# Altium PCB PCB1.PcbDoc (part 7 of 9)
Units mil, origin at the board's own origin, x right, y up, seen from the top; angles counter-clockwise.
Board outline 6000 x 4000 mil, 7 copper layers (Top Layer, InternalPlane1, MidLayer1, InternalPlane2, Internal Plane 3, MidLayer2, Bottom Layer); 389 components, 0 nets, 1750 pads, 1189 vias.
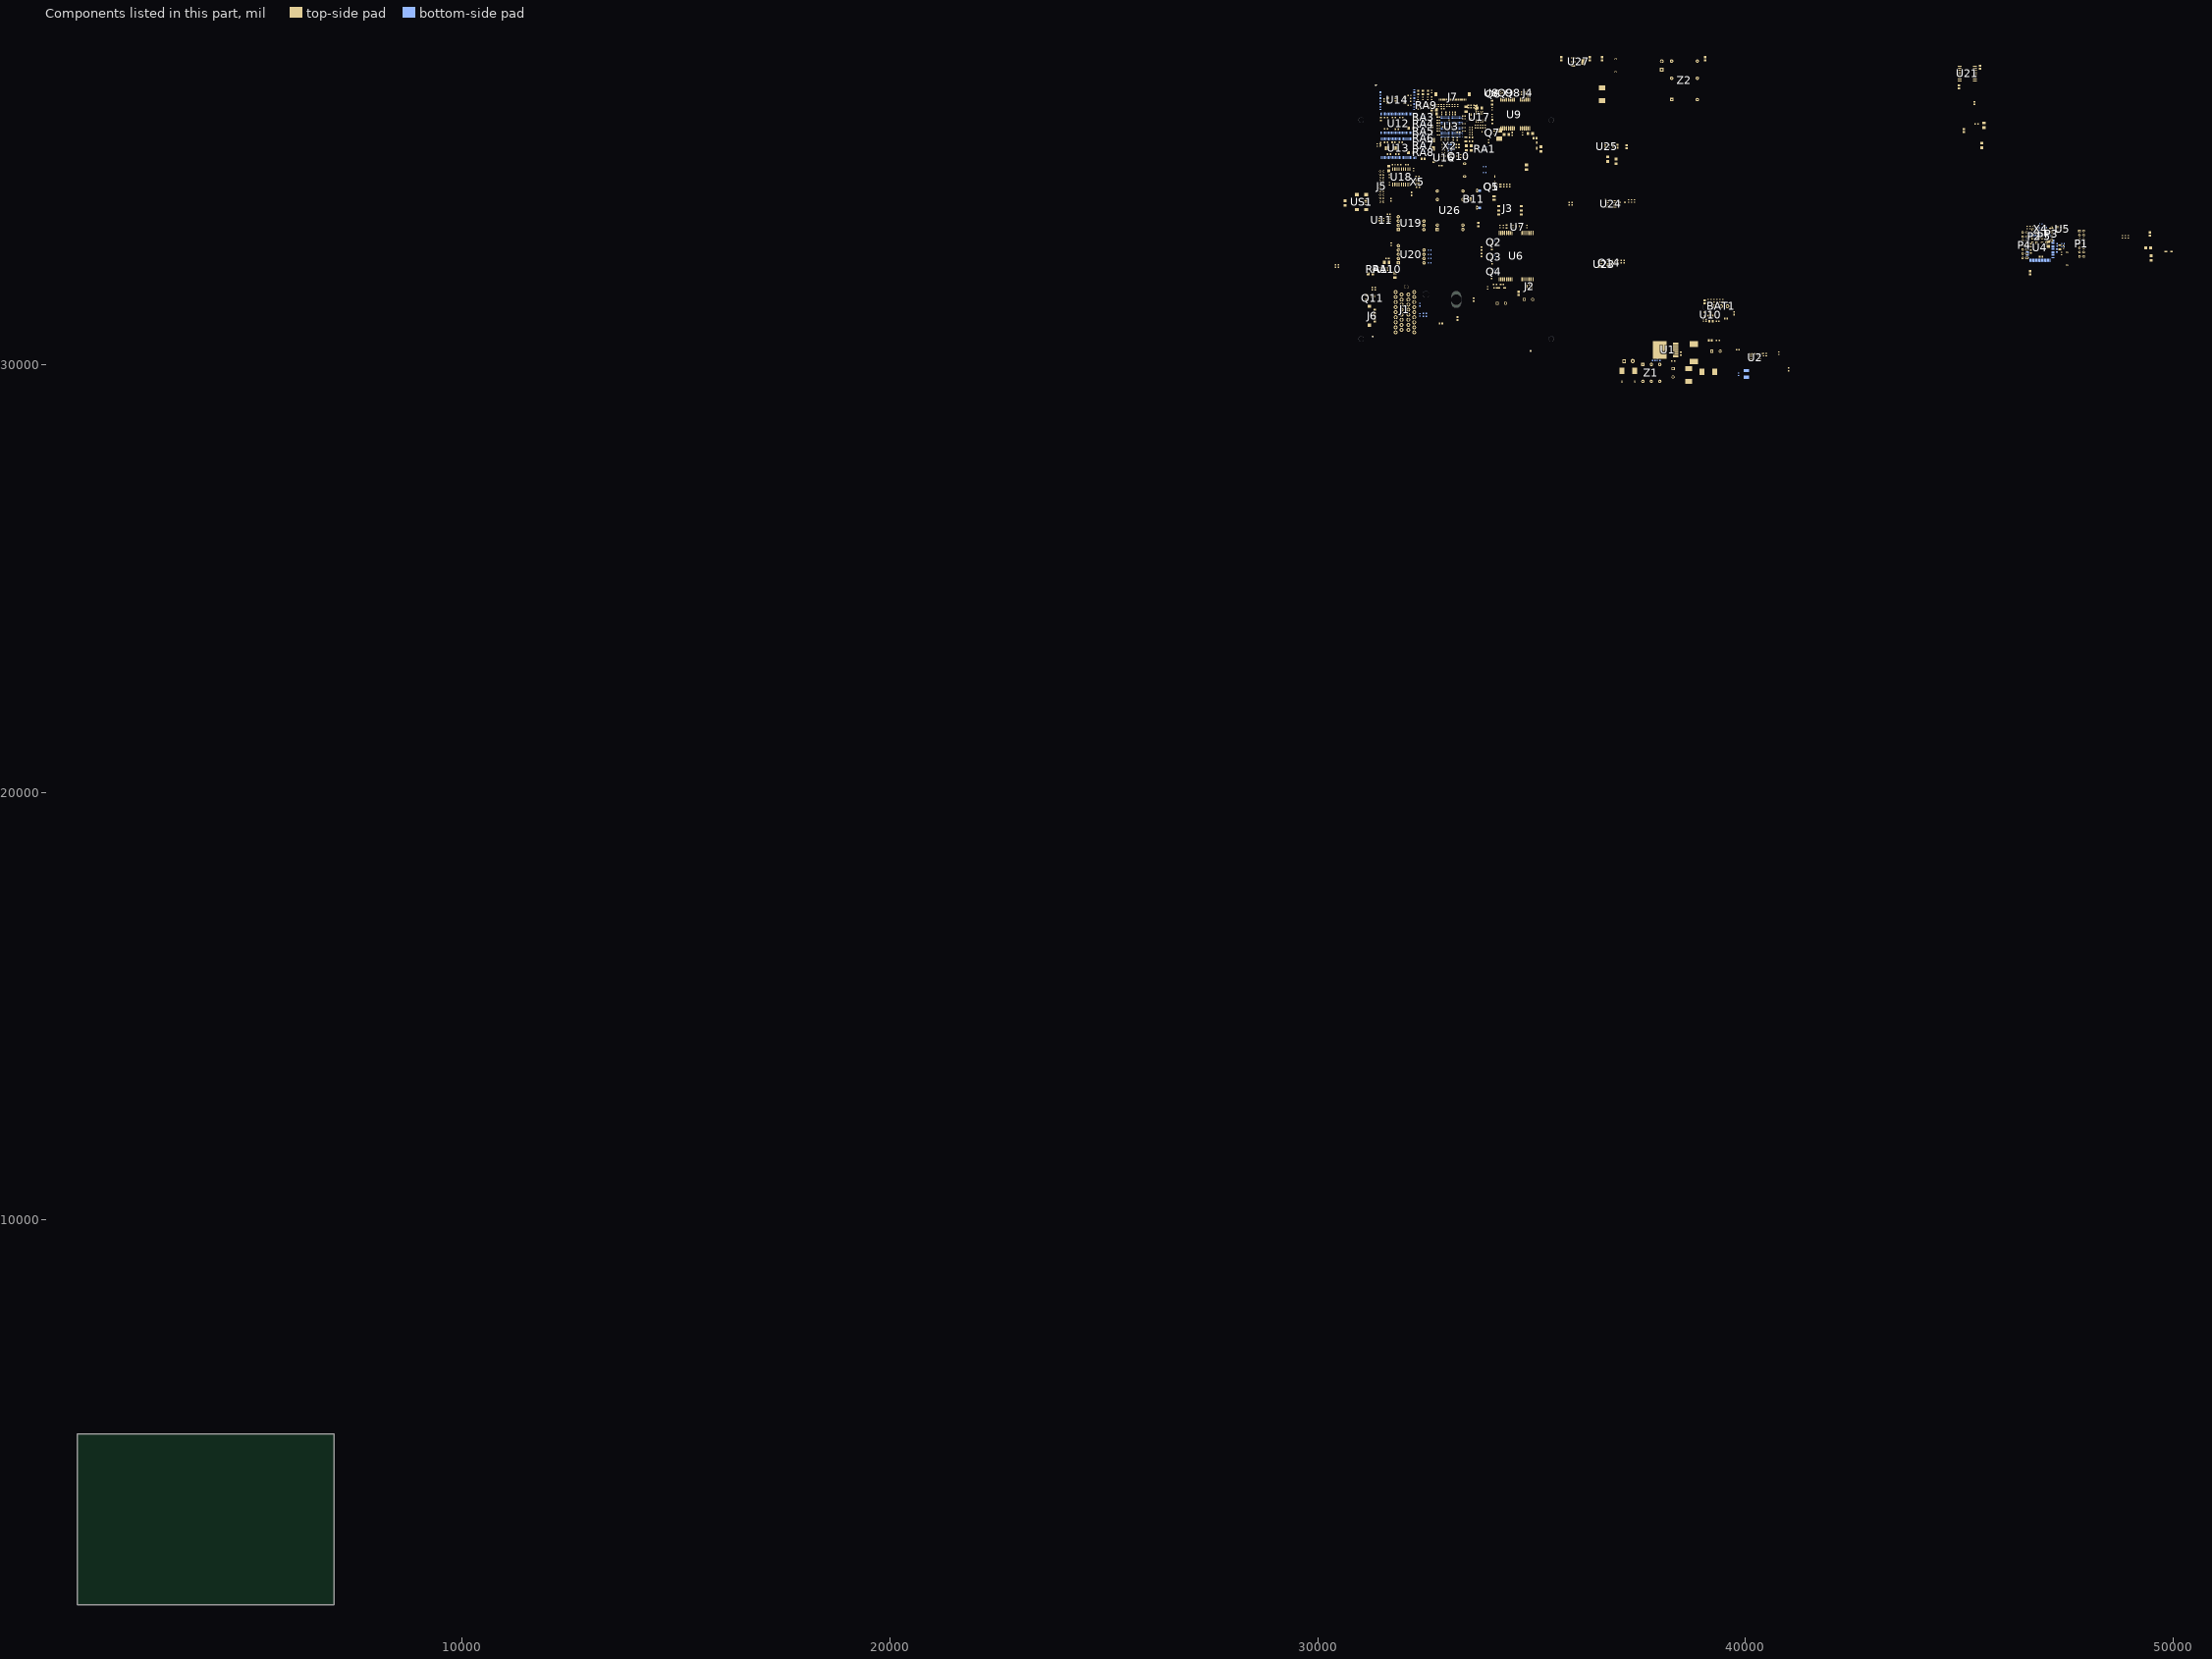
[diagram p12: the components of this part, seen from the top]

## Via types
v1: diameter 18, hole 10, Top Layer to Bottom Layer, tented both sides, 402 vias
v2: diameter 20, hole 10, Top Layer to Bottom Layer, tented both sides, 376 vias
v3: diameter 25, hole 15, Top Layer to Bottom Layer, tented both sides, 361 vias
v4: diameter 23.62, hole 11.81, Top Layer to Bottom Layer, tented both sides, 45 vias
v5: diameter 50, hole 28, Top Layer to Bottom Layer, tented both sides, 4 vias
v6: diameter 30, hole 15, Top Layer to Bottom Layer, tented both sides, 1 vias

## Nets (pads, with @x,y where several pads share a name; then routed paths per layer and width w, separated by ;. In a path a pad name is that pad's centre, name@x,y a point inside that pad or via, vN(x,y) a via of type N, cw(c..) or ccw(c..) an arc to the next point about the centre after c; other vN are vias at no path point) (continued)
copper on no net: (continued)
  MidLayer2 w25: 31535.72,33819.04 31938.22,33819.04 v5@32201.05,34081.86 ; 35160.72,31292.46 35160.72,34815.1 ; v2@38232.01,30285.37 38858.98,30285.37 38988.9,30415.29 39361.93,30415.29 39542.05,30595.41 ; v2(47160.84,33014.51) 47190.37,32984.98 47429.54,32984.98 47616.55,32797.98
  Bottom Layer w5: 31447.13,34257.03 31318.2,34128.09 31318.2,32854.89 31256.16,32792.85 31256.16,32432.85 31318.2,32370.81 31318.2,32178.81 31603.17,31893.84 31862.49,31893.84 32031.78,31724.55 32031.78,31499.16 32120.36,31410.57 ; 31447.13,34258.02 31508.16,34258.02 31544.57,34294.43 ; 31471.22,36052.37 31498.14,36052.37 31512.09,36038.42 v2@31512.09,35918.45 ; 31471.22,36072.05 31502.19,36072.05 31572.13,36002.11 31572.13,35884 ; 31471.22,36091.74 31514,36091.74 31605.6,36000.14 v2@31605.6,35918.45 ; 31471.22,36111.42 31524.83,36111.42 31667.61,35968.65 31667.61,35876.13 ; 31471.22,36288.59 31537.62,36288.59 31695.17,36131.05 31695.17,35923.37 v2@31703.04,35915.5 ; 31471.22,36308.28 31554.35,36308.28 31761.11,36101.52 v2@31761.11,35918.45 ; 31471.22,36327.96 31571.09,36327.96 31793.59,36105.46 31793.59,35883.02 ; 31471.22,36347.65 31582.9,36347.65 31855.6,36074.94 31855.6,35888.92 ; v2@31501.49,34810.94 ccw(c31488.69,34823.75) 31506.79,34823.75 ccw(c31524.9,34823.75) v2@31512.1,34810.94 ; v2@31504.49,35392.59 ccw(c31491.69,35405.39) 31509.79,35405.39 ccw(c31527.9,35405.39) v2@31515.1,35392.59 ; v2@31504.49,35912.81 cw(c31491.69,35900.01) 31509.79,35900.01 cw(c31527.9,35900.01) v2@31515.1,35912.81 ; v2@31504.49,35923.42 ccw(c31486.13,35941.78) 31512.09,35941.78 ; v2(31506.79,34805.64) 31506.79,34850.78 ; v2@31508.03,35919.88 ccw(c31498.21,35929.71) 31512.09,35929.71 ; v2(31509.79,35387.28) 31509.79,35433.78 ; 31509.79,35870.79 v2(31509.79,35918.12) ; 31512.09,35930.67 ccw(c31522.35,35930.67) v2@31515.1,35923.42 ; 31544.57,34134.98 31508.44,34098.85 31421.83,34098.85 31344.77,34021.8 31344.77,32853.49 31274.89,32783.61 31274.89,32444.12 31346.74,32372.27 31346.74,32196.09 31609.62,31933.21 31878.24,31933.21 32057.37,31754.08 32057.37,31591.68 32120.36,31528.68 ; v2@31564.48,34806.02 ccw(c31551.68,34818.82) 31569.79,34818.82 ccw(c31587.89,34818.82) v2@31575.09,34806.02 ; v2@31564.48,35254.84 ccw(c31551.68,35267.64) 31569.79,35267.64 ccw(c31587.89,35267.64) v2@31575.09,35254.84 ; v2@31567.48,35472.85 cw(c31554.68,35460.05) 31572.79,35460.05 cw(c31590.89,35460.05) v2@31578.09,35472.85 ; v2@31567.48,35831.88 ccw(c31554.68,35844.69) 31572.79,35844.69 ccw(c31590.89,35844.69) v2@31578.09,35831.88 ; v2(31569.79,34800.72) 31569.79,34850.78 ; v2(31569.79,35249.54) 31569.79,35287.79 ; 31572.79,35433.78 v2(31572.79,35478.16) ; v2(31572.79,35826.58) 31572.79,35870.79 ; v2@31580.66,32126.99 ccw(c31580.66,32139.4) 31589.43,32130.63 ; v2@31580.66,32131.99 ccw(c31580.66,32156.47) 31597.96,32139.16 ; v2@31580.99,32124.16 v2@31581.98,32125.14 ; v2@31582.96,32124.16 31659.73,32200.93 31941.95,32200.93 32166.62,32425.6 32166.62,33368.51 32619.38,33821.27 32619.38,34099.81 32765.77,34246.2 32904.01,34246.2 33298.49,34640.68 33298.49,35201.36 33204.98,35294.87 33204.98,35345.06 33189.23,35360.81 ; v2@31585.91,34894.22 cw(c31585.91,34876.11) 31598.72,34888.91 cw(c31611.52,34901.72) v2@31593.41,34901.72 ; v2(31585.91,34901.72) 31601.28,34886.35 31601.28,34850.78 ; v2@31588.16,32124.49 cw(c31599.9,32124.49) 31591.6,32132.79 ; v2@31595.98,35327.14 cw(c31583.18,35314.33) 31601.28,35314.33 cw(c31619.39,35314.33) v2@31606.59,35327.14 ; v2@31598.98,35394.56 ccw(c31586.18,35407.36) 31604.28,35407.36 ccw(c31622.39,35407.36) v2@31609.59,35394.56 ; v2@31598.98,35913.48 cw(c31586.18,35900.67) 31604.28,35900.67 cw(c31622.39,35900.67) v2@31609.59,35913.48 ; v2@31598.98,35924.08 ccw(c31583,35940.06) 31605.6,35940.06 ; 31601.28,35287.79 v2(31601.28,35332.44) ; v2(31604.28,35389.25) 31604.28,35433.78 ; 31604.28,35870.79 v2(31604.28,35918.78) ; 31605.6,35933.71 ccw(c31619.21,35933.71) v2@31609.59,35924.08 ; v2(31615.66,32104.69) 31688.28,32177.31 31948.12,32177.31 31980.6,32209.79 ; v2@31615.66,32112.19 ccw(c31615.66,32130.3) 31628.46,32117.49 ccw(c31641.26,32104.69) v2@31623.16,32104.69 ; v2@31648.91,32090.69 31715.83,32157.62 31958.5,32157.62 32208.94,32408.07 32208.94,33350.98 32661.7,33803.74 32661.7,34082.28 32783.3,34203.88 32921.54,34203.88 33340.81,34623.15 33340.81,35195.46 33236.48,35299.79 33236.48,35345.06 33220.73,35360.81 ; v2@31649.86,32098.21 ccw(c31649.86,32114.06) 31661.07,32102.85 ; v2@31657.36,32090.71 cw(c31677.73,32090.71) 31663.33,32105.11 ; v2@31660.33,34786.94 ccw(c31650.82,34796.45) 31664.27,34796.45 ; v2@31661.97,35395.54 ccw(c31649.17,35408.34) 31667.27,35408.34 ccw(c31685.38,35408.34) v2@31672.58,35395.54 ; 31664.27,34803.04 ccw(c31687.04,34803.04) v2@31670.94,34786.94 ; 31664.27,34850.78 31664.27,34782.02 v2@31666.62,34779.67 ; 31664.27,35287.79 31664.27,35257.41 v2(31678.43,35243.25) ; v2(31667.27,35390.24) 31667.27,35433.78 ; 31667.27,35832.81 ccw(c31689.26,35832.81) v2@31673.71,35817.27 ; 31667.27,35844.89 ccw(c31701.33,35844.89) v2@31677.25,35820.81 ; 31667.27,35856.96 ccw(c31713.4,35856.96) v2@31680.78,35824.34 ; 31667.27,35870.79 31667.27,35827.25 v2(31675.48,35819.04) ; v2@31670.93,35243.25 ccw(c31652.83,35243.25) 31665.63,35256.06 ccw(c31678.43,35268.86) v2@31678.43,35250.75 ; v2@31685.66,32069.98 ccw(c31685.66,32088.09) 31698.46,32075.29 ccw(c31711.26,32062.48) v2@31693.16,32062.48 ; v2@31686.31,32063.13 31757.17,32134 31959.93,32134 32226.66,32400.73 32226.66,33343.64 32679.42,33796.4 32679.42,34074.94 32790.64,34186.17 32928.88,34186.17 33358.53,34615.81 33358.53,35196.44 33252.23,35302.74 33252.23,35329.32 ; v2@31690.47,34887.18 cw(c31677.66,34874.37) 31695.77,34874.37 cw(c31713.88,34874.37) v2@31701.07,34887.18 ; v2@31690.47,35327.14 cw(c31677.66,35314.33) 31695.77,35314.33 cw(c31713.88,35314.33) v2@31701.07,35327.14 ; v2@31693.47,35473.42 cw(c31680.66,35460.62) 31698.77,35460.62 cw(c31716.88,35460.62) v2@31704.07,35473.42 ; v2@31693.47,35921.45 ccw(c31689.37,35925.55) 31695.17,35925.55 ; 31695.17,35930.89 ccw(c31713.51,35930.89) v2@31700.54,35917.92 ; 31695.17,35942.96 ccw(c31725.58,35942.96) v2@31704.07,35921.45 ; 31695.77,34850.78 v2(31695.77,34892.48) ; 31695.77,35287.79 v2(31695.77,35332.44) ; 31698.77,35433.78 v2(31698.77,35478.72) ; v2@31753.46,34887.18 cw(c31740.66,34874.37) 31758.76,34874.37 cw(c31776.87,34874.37) v2@31764.07,34887.18 ; v2@31756.46,35390.62 ccw(c31743.66,35403.42) 31761.76,35403.42 ccw(c31779.87,35403.42) v2@31767.07,35390.62 ; v2@31756.46,35911.83 cw(c31743.66,35899.03) 31761.76,35899.03 cw(c31779.87,35899.03) v2@31767.07,35911.83 ; v2@31756.46,35922.44 ccw(c31745.23,35933.66) 31761.11,35933.66 ; 31758.76,34850.78 v2(31758.76,34892.48) ; 31758.76,35287.79 31758.76,35186.54 v2(31777.84,35167.46) ; 31761.11,35936.81 ccw(c31781.44,35936.81) v2@31767.07,35922.44 ; v2(31761.76,35385.32) 31761.76,35433.78 ; 31761.76,35870.79 v2(31761.76,35917.13) ; v2@31770.34,35167.46 ccw(c31752.24,35167.46) 31765.04,35180.27 ccw(c31777.84,35193.07) v2@31777.84,35174.96 ; v2(31780.8,35480.04) 31793.26,35467.58 ; v2@31780.94,35472.54 cw(c31781.27,35455.59) 31793.26,35467.58 ; v2@31784.96,34807.99 ccw(c31772.15,34820.79) 31790.26,34820.79 ccw(c31808.37,34820.79) v2@31795.56,34807.99 ; v2@31787.96,35830.48 ccw(c31775.15,35843.29) 31793.26,35843.29 ccw(c31811.37,35843.29) v2@31798.56,35830.48 ; v2@31788.29,35479.9 ccw(c31805.25,35479.57) 31793.26,35467.58 ; v2(31790.26,34802.69) 31790.26,34850.78 ; 31790.26,35287.79 31790.26,35246.58 31851.66,35185.18 v2(31860.52,35185.18) ; 31793.26,35433.78 31793.26,35467.58 ; v2(31793.26,35825.18) 31793.26,35870.79 ; 31832.59,35204.25 ccw(c31860.52,35232.17) v2@31860.52,35192.68 ; 31841.13,35195.71 ccw(c31860.52,35215.1) v2@31860.52,35187.68 ; v2@31848.31,34804.81 ccw(c31836.37,34816.74) 31853.25,34816.74 ; 31849.67,35187.18 ccw(c31860.52,35198.03) v2@31860.52,35182.68 ; v2@31850.95,35474.09 cw(c31838.14,35461.28) 31856.25,35461.28 cw(c31874.36,35461.28) v2@31861.55,35474.09 ; 31853.25,34818.48 ccw(c31872.59,34818.48) v2@31858.91,34804.81 ; 31853.25,34850.78 31853.25,34799.87 v2(31853.61,34799.51) ; 31853.25,35287.79 31853.25,35230.84 v2(31927.45,35156.64) ; 31856.25,35433.78 v2(31856.25,35479.39) ; 31856.25,35870.79 31856.25,35788.86 v2(31871.35,35773.76) ; v2@31863.85,35773.76 ccw(c31845.74,35773.76) 31858.54,35786.57 ccw(c31871.35,35799.37) v2@31871.35,35781.26 ; v1@31911.94,35250.23 ccw(c31901.56,35260.61) 31916.24,35260.61 ; v2@31913.94,35745.93 ccw(c31901.14,35758.74) 31919.24,35758.74 ccw(c31937.35,35758.74) v2@31924.55,35745.93 ; 31916.24,35262.05 ccw(c31932.95,35262.05) v1@31921.14,35250.23 ; 31916.24,35287.79 31916.24,35245.94 v1(31916.54,35245.64) ; v2(31919.24,35740.63) 31919.24,35870.79 ; v2@31919.95,35156.64 ccw(c31901.84,35156.64) 31914.65,35169.44 ccw(c31927.45,35182.24) v2@31927.45,35164.14 ; v1@31943.14,34892 cw(c31932.05,34880.91) 31947.74,34880.91 cw(c31963.43,34880.91) v1@31952.33,34892 ; v1@31945.15,35562.69 cw(c31931.66,35549.2) 31950.74,35549.2 ; v1@31945.15,35571.88 ccw(c31931.66,35585.37) 31950.74,35585.37 ; v1@31946.45,35483.86 cw(c31936.09,35473.51) 31950.74,35473.51 ; 31947.74,34850.78 v1(31947.74,34896.6) ; 31947.74,35287.79 31947.74,35391.48 31935.55,35403.67 31935.55,35523.46 31950.74,35538.65 31950.74,35870.79 ; 31950.74,35433.78 31950.74,35488.15 v1(31951.05,35488.46) ; 31950.74,35472.02 cw(c31967.48,35472.02) v1@31955.64,35483.86 ; 31950.74,35553.99 cw(c31963.04,35553.99) v1@31954.34,35562.69 ; 31950.74,35580.58 ccw(c31963.04,35580.58) v1@31954.34,35571.88 ; v1@31970.11,35590.47 cw(c31959.02,35579.37) 31974.71,35579.37 cw(c31990.4,35579.37) v1@31979.31,35590.47 ; v1@31970.11,35599.66 ccw(c31959.02,35610.76) 31974.71,35610.76 ccw(c31990.4,35610.76) v1@31979.31,35599.66 ; v1@31974.01,34902.48 cw(c31961.39,34889.86) 31979.23,34889.86 ; 31977.37,32207.11 32187.29,32417.04 32187.29,33359.95 32640.05,33812.71 32640.05,34091.25 32774.33,34225.54 32912.57,34225.54 33319.16,34632.12 33319.16,35197.43 33220.73,35295.85 33220.73,35329.32 ; v1(31978.6,34907.07) 31979.23,34906.44 31979.23,34850.78 ; 31979.23,34892.9 cw(c31992.78,34892.9) v1@31983.2,34902.48 ; 31979.23,35287.79 31979.23,35391.48 31967.04,35403.67 31967.04,35515.59 31974.71,35523.26 v1(31974.71,35595.06) 31974.71,35760.07 31982.23,35767.59 31982.23,35870.79 ; 31982.23,35433.78 31982.23,35479.6 v1(31986.48,35483.84) ; 31982.23,35457.9 cw(c32012.42,35457.9) v1@31991.07,35479.25 ; 31982.23,35469.98 cw(c32000.35,35469.98) v1@31987.54,35482.78 ; v1@32007.27,35621.89 cw(c31996.6,35620.68) 32004.2,35613.09 ; v1@32009.13,35627.22 ccw(c31998.04,35638.32) 32013.73,35638.32 ccw(c32029.42,35638.32) v1@32018.33,35627.22 ; 32010.73,34850.78 32010.73,35242.48 32025.92,35257.68 32025.92,35328.11 32013.73,35340.3 32013.73,35433.78 32013.73,35539.64 v1(32025.85,35551.76) ; 32010.73,35287.79 32010.73,35325.3 31998.54,35337.49 31998.54,35470.09 32004.2,35475.75 32004.2,35613.09 ; v1@32013,35616.16 ccw(c32011.79,35605.5) 32004.2,35613.09 ; 32013.73,35870.79 v1(32013.73,35622.62) 32004.2,35613.09 ; v1@32019.35,35551.76 cw(c32003.66,35551.76) 32014.75,35540.66 cw(c32025.85,35529.56) v1@32025.85,35545.26 ; v1@32037.77,35075.7 cw(c32027.02,35064.95) 32042.23,35064.95 ; v1@32037.77,35084.9 ccw(c32027.02,35095.65) 32042.23,35095.65 ; 32042.23,34850.78 32042.23,35242.48 32057.42,35257.68 32057.42,35332.61 32045.23,35344.8 32045.23,35433.78 ; 32042.23,35064.26 cw(c32058.41,35064.26) v1@32046.97,35075.7 ; 32042.23,35096.34 ccw(c32058.41,35096.34) v1@32046.97,35084.9 ; 32042.23,35287.79 32042.23,35330.8 32030.03,35343 32030.03,35517.56 32045.23,35532.75 32045.23,35870.79 32045.23,35899.76 32059.75,35914.28 32381.83,35914.28 32390.59,35905.52 ccw(c32394.13,35909.05) 32397.66,35905.52 32404.73,35912.59 cw(c32408.27,35909.05) 32411.81,35912.59 cw(c32408.27,35909.05) 32411.81,35905.52 32390.59,35884.3 ccw(c32394.13,35880.77) 32390.59,35877.23 ccw(c32394.13,35880.77) 32397.66,35877.23 32418.88,35898.45 cw(c32422.41,35894.91) 32425.95,35898.45 cw(c32422.41,35894.91) 32425.95,35891.38 32404.73,35870.16 ccw(c32408.27,35866.63) 32404.73,35863.09 ccw(c32408.27,35866.63) 32411.81,35863.09 32418.88,35870.16 cw(c32422.41,35866.63) 32425.95,35870.16 32442.18,35853.93 ; 32065.24,35595.08 ccw(c32052.46,35607.86) v1@32070.53,35607.86 ; v1@32067.58,35034.04 cw(c32051.88,35034.04) 32062.98,35022.94 cw(c32074.08,35011.85) v1@32074.08,35027.54 ; 32067.61,35597.46 cw(c32077.03,35588.04) v1@32077.03,35601.36 ; v1@32069.48,35038.64 ccw(c32058.38,35049.73) 32074.08,35049.73 ccw(c32089.77,35049.73) v1@32078.67,35038.64 ; v1@32072.43,35612.46 ccw(c32062.08,35622.81) 32076.72,35622.81 ; 32073.72,34850.78 32073.72,34893.31 32058.75,34908.28 32058.75,35018.71 v1(32074.08,35034.04) 32074.08,35156.09 32089.75,35171.76 32089.75,35338.28 32076.72,35351.31 32076.72,35433.78 ; 32073.72,35287.79 32073.72,35335.31 32060.75,35348.28 32060.75,35590.59 v1@32076.72,35606.57 ; v1@32076.72,35607.86 32076.72,35870.79 ; 32076.72,35624.29 ccw(c32093.46,35624.29) v1@32081.63,35612.46 ; v1@32100.98,35135.74 cw(c32090.74,35125.5) 32105.22,35125.5 ; v1@32100.98,35144.94 ccw(c32090.74,35155.18) 32105.22,35155.18 ; v1@32102.95,35628.85 cw(c32090.22,35616.12) 32108.22,35616.12 ; v1@32102.95,35638.05 ccw(c32090.22,35650.78) 32108.22,35650.78 ; 32105.22,34850.78 32105.22,35242.48 32120.41,35257.68 32120.41,35346.62 32108.22,35358.81 32108.22,35433.78 ; 32105.22,35123.79 cw(c32122.12,35123.79) v1@32110.17,35135.74 ; 32105.22,35156.89 ccw(c32122.12,35156.89) v1@32110.17,35144.94 ; 32105.22,35287.79 32105.22,35342.81 32093.03,35355.01 32093.03,35463.89 32108.22,35479.09 32108.22,35870.79 ; 32108.22,35619.39 cw(c32121.6,35619.39) v1@32112.14,35628.85 ; 32108.22,35647.51 ccw(c32121.6,35647.51) v1@32112.14,35638.05 ; v1@32132.47,35119.01 cw(c32122.23,35108.77) 32136.71,35108.77 ; v1@32132.47,35128.2 ccw(c32122.23,35138.44) 32136.71,35138.44 ; v1@32134.44,35607.2 cw(c32121.71,35594.47) 32139.71,35594.47 ; v1@32134.44,35616.39 ccw(c32121.71,35629.12) 32139.71,35629.12 ; 32136.71,34850.78 32136.71,35242.48 32151.91,35257.68 32151.91,35357.12 32139.71,35369.32 32139.71,35433.78 ; 32136.71,35107.06 cw(c32153.62,35107.06) v1@32141.67,35119.01 ; 32136.71,35140.16 ccw(c32153.62,35140.16) v1@32141.67,35128.2 ; 32136.71,35287.79 32136.71,35351.32 32124.52,35363.51 32124.52,35463.89 32139.71,35479.09 32139.71,35870.79 ; 32139.71,35597.74 cw(c32153.1,35597.74) v1@32143.63,35607.2 ; 32139.71,35625.86 ccw(c32153.1,35625.86) v1@32143.63,35616.39 ; v1@32163.97,35102.28 cw(c32153.73,35092.04) 32168.21,35092.04 ; v1@32163.97,35111.47 ccw(c32153.73,35121.71) 32168.21,35121.71 ; v1@32165.94,35686.92 cw(c32153.21,35674.19) 32171.21,35674.19 ; v1@32165.94,35696.12 ccw(c32153.21,35708.85) 32171.21,35708.85 ; 32168.21,34850.78 32168.21,35242.48 32183.4,35257.68 32183.4,35365.63 32171.21,35377.82 32171.21,35433.78 ; 32168.21,35090.33 cw(c32185.11,35090.33) v1@32173.16,35102.28 ; 32168.21,35123.42 ccw(c32185.11,35123.42) v1@32173.16,35111.47 ; 32168.21,35287.79 32168.21,35361.82 32156.02,35374.01 32156.02,35463.89 32171.21,35479.09 32171.21,35647.91 ; 32171.21,35648.21 32171.21,35870.79 ; 32171.21,35677.46 cw(c32184.59,35677.46) v1@32175.13,35686.92 ; 32171.21,35705.58 ccw(c32184.59,35705.58) v1@32175.13,35696.12 ; v1@32194.48,35042.24 cw(c32181.87,35029.62) 32199.71,35029.62 ; v1@32194.48,35051.43 ccw(c32181.87,35064.05) 32199.71,35064.05 ; v1@32197.43,35615.07 cw(c32184.7,35602.34) 32202.71,35602.34 ; v1@32197.43,35624.27 ccw(c32184.7,35637) 32202.71,35637 ; 32199.71,34850.78 32199.71,35242.48 32214.9,35257.68 32214.9,35373.13 32202.71,35385.32 32202.71,35433.78 ; 32199.71,35032.66 cw(c32213.25,35032.66) v1@32203.67,35042.24 ; 32199.71,35061.01 ccw(c32213.25,35061.01) v1@32203.67,35051.43 ; 32199.71,35287.79 32199.71,35369.32 32187.51,35381.52 32187.51,35463.89 32202.71,35479.09 32202.71,35870.79 ; 32202.71,35605.61 cw(c32216.09,35605.61) v1@32206.63,35615.07 ; 32202.71,35633.73 ccw(c32216.09,35633.73) v1@32206.63,35624.27 ; v2(32212.88,36112.35) 32213.8,36111.42 32258.62,36111.42 ; v2(32212.94,36308.28) 32258.62,36308.28 ; v2@32218.19,36107.04 cw(c32228.76,36096.47) 32228.76,36111.42 ; v2@32218.19,36117.65 ccw(c32233.22,36132.68) 32233.22,36111.42 ; v2@32218.25,36302.97 cw(c32231.05,36290.17) 32231.05,36308.28 cw(c32231.05,36326.38) v2@32218.25,36313.58 ; v1@32226.61,35111.77 cw(c32215.51,35100.67) 32231.2,35100.67 cw(c32246.89,35100.67) v1@32235.8,35111.77 ; v1@32226.61,35120.96 ccw(c32215.51,35132.06) 32231.2,35132.06 ccw(c32246.89,35132.06) v1@32235.8,35120.96 ; v1@32229.91,35596.37 cw(c32219.56,35586.02) 32234.2,35586.02 ; v1@32229.91,35605.57 ccw(c32219.56,35615.92) 32234.2,35615.92 ; 32231.2,34850.78 v1(32231.2,35116.36) 32231.2,35242.48 32246.4,35257.68 32246.4,35379.64 32234.2,35391.83 32234.2,35433.78 ; 32231.2,35287.79 32231.2,35375.83 32219.01,35388.02 32219.01,35463.89 32234.2,35479.09 32234.2,35870.79 ; 32234.2,35584.53 cw(c32250.95,35584.53) v1@32239.11,35596.37 ; 32234.2,35617.4 ccw(c32250.95,35617.4) v1@32239.11,35605.57 ; 32258.62,36131.11 32302.39,36131.11 32336.16,36097.34 32336.16,36007.28 v2@32310.32,35981.44 ; 32258.62,36268.91 32288.61,36268.91 v2(32306.39,36251.13) ; 32258.62,36288.59 v2(32299.43,36288.59) 32302.39,36288.59 v2@32303.43,36287.54 ; 32262.7,34850.78 32262.7,35168.88 ; 32262.7,35287.79 32262.7,35380.33 32250.51,35392.53 32250.51,35463.89 32265.7,35479.09 32265.7,35506.58 32264.25,35508.04 32264.25,35522.53 32265.7,35523.99 32265.7,35530.58 32264.25,35532.04 32264.25,35546.53 32265.7,35547.99 32265.7,35553.58 32264.25,35555.04 32264.25,35569.53 32265.7,35570.99 32265.7,35631.48 ; 32265.7,35870.79 32265.7,35631.48 ; 32265.75,35436.28 32265.75,35396.28 32277.89,35384.14 32277.89,35257.68 32262.7,35242.48 32262.7,35168.88 ; v2@32294.13,36283.29 ccw(c32281.33,36270.48) 32281.33,36288.59 ccw(c32281.33,36306.7) v2@32294.13,36293.89 ; v2@32298.89,36251.13 ccw(c32280.78,36251.13) 32293.58,36263.93 ccw(c32306.39,36276.73) v2@32306.39,36258.63 ; v2@32313.28,35988.94 ccw(c32313.28,35999.92) 32321.04,35992.16 ; v2@32315.78,35981.44 cw(c32328.94,35981.44) 32319.63,35990.75 ; v2@32320.78,35981.44 cw(c32346.01,35981.44) 32328.17,35999.29 ; v1@32325.06,35511.79 cw(c32325.06,35496.1) 32336.16,35507.2 cw(c32347.25,35518.29) v1@32331.56,35518.29 ; v1(32325.06,35518.29) 32428.55,35414.81 ; v1@32327.98,35464.54 cw(c32327.98,35448.85) 32339.07,35459.95 cw(c32350.17,35471.04) v1@32334.48,35471.04 ; v1(32327.98,35471.04) 32441.11,35357.91 ; v1@32335.85,35402.53 cw(c32335.85,35396.23) 32340.3,35400.69 ; v1(32335.85,35409.03) 32335.85,35405.14 32423.24,35317.75 32441.11,35317.75 ; v1@32337.35,35409.03 ccw(c32350.37,35409.03) 32341.16,35399.83 ; v1@32342.35,35409.03 ccw(c32367.44,35409.03) 32349.7,35391.29 ; v1@32353.6,35298.21 cw(c32353.6,35282.52) 32364.7,35293.61 cw(c32375.8,35304.71) v1@32360.1,35304.71 ; v1(32353.6,35304.71) 32410.57,35247.75 32441.11,35247.75 ; v1(32358.53,35734.83) 32356.56,35736.8 32403.69,35783.93 32441.11,35783.93 ; v1@32358.53,35741.33 ccw(c32358.53,35747.52) 32362.9,35743.14 ; v1@32360.03,35734.83 cw(c32373.15,35734.83) 32363.87,35744.11 ; v1(32362.68,34983.63) 32441.11,34983.63 ; v1@32365.03,35734.83 cw(c32390.22,35734.83) 32372.41,35752.64 ; v1@32367.28,34979.03 cw(c32378.37,34967.93) 32378.37,34983.63 cw(c32378.37,34999.32) v1@32367.28,34988.22 ; v1@32370.3,35664.36 cw(c32370.3,35641.46) 32386.49,35657.65 ; v1(32370.3,35670.86) 32373.29,35670.86 32392.27,35651.87 32441.11,35651.87 ; v1(32372.31,35609.83) 32379.38,35602.76 ccw(c32382.91,35606.29) 32386.45,35602.76 32393.52,35609.83 cw(c32397.05,35606.29) 32400.59,35609.83 cw(c32397.05,35606.29) 32400.59,35602.76 32393.52,35595.69 ccw(c32397.05,35592.15) 32393.52,35588.61 32400.27,35581.87 32441.11,35581.87 ; v1@32373.99,35603.55 cw(c32375.76,35596.93) 32379.19,35602.86 ; v1@32376.8,35670.86 ccw(c32385.29,35670.86) 32379.29,35664.85 ; v1@32378.76,35609.04 ccw(c32387.13,35608.02) 32382.91,35600.72 ; v1@32386.13,35822.51 ccw(c32394.79,35831.18) 32394.79,35818.93 ; v1@32387.07,35298.21 cw(c32387.07,35282.52) 32398.17,35293.61 cw(c32409.26,35304.71) v1@32393.57,35304.71 ; v1(32387.07,35304.71) 32409.03,35282.75 32441.11,35282.75 ; v1@32387.09,35233.2 cw(c32387.09,35217.51) 32398.19,35228.6 cw(c32409.29,35239.7) v1@32393.59,35239.7 ; v1(32387.09,35239.7) 32441.11,35185.69 ; v1@32387.59,35818.93 32441.11,35818.93 ; v1@32389.66,35816.86 cw(c32394.66,35811.86) 32394.66,35818.93 ; v1@32389.66,35826.05 ccw(c32406.86,35843.25) 32406.86,35818.93 ; v1@32391.01,35480.3 cw(c32391.01,35464.6) 32402.1,35475.7 cw(c32413.2,35486.8) v1@32397.51,35486.8 ; v1(32391.01,35486.8) 32428,35449.81 32441.11,35449.81 ; v1@32391.01,35691.91 cw(c32391.01,35676.22) 32402.1,35687.31 cw(c32413.2,35698.41) v1@32397.51,35698.41 ; v1(32391.01,35698.41) 32402.55,35686.87 32441.11,35686.87 ; v1(32391.66,35018.63) 32441.11,35018.63 ; v1(32394.35,35080.69) 32441.11,35080.69 ; v1@32394.94,35538.37 cw(c32394.94,35522.67) 32406.04,35533.77 cw(c32417.14,35544.87) v1@32401.44,35544.87 ; v1(32394.94,35544.87) 32420,35519.81 32441.11,35519.81 ; v1@32394.94,35626.95 cw(c32394.94,35611.26) 32406.04,35622.35 cw(c32417.14,35633.45) v1@32401.44,35633.45 ; v1(32394.94,35633.45) 32411.53,35616.87 32441.11,35616.87 ; v1@32396.25,35014.03 cw(c32407.35,35002.93) 32407.35,35018.63 cw(c32407.35,35034.32) v1@32396.25,35023.22 ; v1@32398.94,35076.09 cw(c32410.04,35064.99) 32410.04,35080.69 cw(c32410.04,35096.38) v1@32398.94,35085.28 ; v1(32399.86,35141.32) 32409.23,35150.69 ; v1@32400.69,35147.77 ccw(c32401.99,35157.92) 32409.23,35150.69 ; v1@32406.31,35142.15 cw(c32416.46,35143.45) 32409.23,35150.69 ; 32441.11,35115.69 32406.75,35115.69 ccw(c32406.75,35110.69) 32401.75,35110.69 32401.75,35101.77 cw(c32396.75,35101.77) 32396.75,35096.77 cw(c32396.75,35101.77) 32391.75,35101.77 32391.75,35124.84 ccw(c32386.75,35124.84) 32386.75,35129.84 ccw(c32386.75,35124.84) 32381.75,35124.84 32381.75,35101.42 cw(c32376.75,35101.42) 32376.75,35096.42 cw(c32376.75,35101.42) 32371.75,35101.42 32371.75,35129.96 ccw(c32366.75,35129.96) 32366.75,35134.96 ccw(c32366.75,35129.96) 32361.75,35129.96 32361.75,35101.42 cw(c32356.75,35101.42) 32356.75,35096.42 cw(c32356.75,35101.42) 32351.75,35101.42 32351.75,35129.96 ccw(c32346.75,35129.96) 32346.75,35134.96 ccw(c32346.75,35129.96) 32341.75,35129.96 32341.75,35101.42 cw(c32336.75,35101.42) 32336.75,35096.42 cw(c32336.75,35101.42) 32331.75,35101.42 32331.75,35110.69 ccw(c32326.75,35110.69) 32326.75,35115.69 32315.89,35115.69 32308.82,35122.76 cw(c32312.36,35126.29) 32308.82,35129.83 32315.38,35136.39 ccw(c32311.84,35139.92) 32315.38,35143.46 ccw(c32311.84,35139.92) 32308.31,35143.46 32298.22,35133.36 32294.68,35129.83 cw(c32291.15,35133.36) 32287.61,35129.83 cw(c32291.15,35133.36) 32287.61,35136.9 ccw(c32284.07,35140.44) 32287.61,35143.97 32262.7,35168.88 ; 32441.11,35150.69 32409.23,35150.69 ; 32441.11,35484.81 32424.49,35484.81 32402.33,35506.97 ccw(c32398.79,35503.44) 32395.25,35506.97 32391.86,35503.58 cw(c32388.33,35507.12) 32384.79,35503.58 cw(c32388.33,35507.12) 32384.79,35510.65 32388.18,35514.04 ccw(c32384.65,35517.58) 32388.18,35521.12 ccw(c32384.65,35517.58) 32381.11,35521.12 32374.04,35514.04 cw(c32370.51,35517.58) 32366.97,35514.04 cw(c32370.51,35517.58) 32366.97,35521.12 32374.04,35528.19 ccw(c32370.51,35531.72) 32374.04,35535.26 ccw(c32370.51,35531.72) 32366.97,35535.26 32359.9,35528.19 cw(c32356.36,35531.72) 32352.83,35528.19 cw(c32356.36,35531.72) 32352.83,35535.26 32374.04,35556.47 ccw(c32370.51,35560.01) 32374.04,35563.54 ccw(c32370.51,35560.01) 32366.97,35563.54 32345.76,35542.33 cw(c32342.22,35545.86) 32338.69,35542.33 cw(c32342.22,35545.86) 32338.69,35549.4 32359.9,35570.61 ccw(c32356.36,35574.15) 32359.9,35577.68 ccw(c32356.36,35574.15) 32352.83,35577.68 32331.61,35556.47 cw(c32328.08,35560.01) 32324.54,35556.47 cw(c32328.08,35560.01) 32324.54,35563.54 32345.76,35584.76 ccw(c32342.22,35588.29) 32345.76,35591.83 ccw(c32342.22,35588.29) 32338.69,35591.83 32317.47,35570.61 cw(c32313.94,35574.15) 32310.4,35570.61 cw(c32313.94,35574.15) 32310.4,35577.68 32331.61,35598.9 ccw(c32328.08,35602.43) 32331.61,35605.97 ccw(c32328.08,35602.43) 32324.54,35605.97 32303.33,35584.76 cw(c32299.79,35588.29) 32296.26,35584.76 cw(c32299.79,35588.29) 32296.26,35591.83 32317.47,35613.04 ccw(c32313.94,35616.58) 32317.47,35620.11 ccw(c32313.94,35616.58) 32310.4,35620.11 32289.19,35598.9 cw(c32285.65,35602.43) 32282.12,35598.9 cw(c32285.65,35602.43) 32282.12,35605.97 32292.72,35616.58 32303.33,35627.18 ccw(c32299.79,35630.72) 32303.33,35634.25 ccw(c32299.79,35630.72) 32296.26,35634.25 32287.09,35625.08 cw(c32285.65,35626.52) 32284.22,35625.08 32277.82,35631.48 32265.7,35631.48 ; 32441.11,35853.93 32442.18,35853.93 ; 32448.54,35847.57 32442.18,35853.93 ; 32480.7,35247.75 32501.11,35247.75 32542.7,35247.75 32629.2,35334.24 32629.2,35543.88 32698.51,35613.2 32810.86,35613.2 32811.28,35612.78 32874.27,35612.78 ; 32489.96,35519.81 32501.11,35519.81 v1(32536.22,35519.81) ; 32501.11,34983.63 32511.85,34983.63 ; 32501.11,35018.63 v1(32538.98,35018.63) ; 32501.11,35080.69 v1(32542.97,35080.69) ; 32501.11,35115.69 v1(32541.64,35115.69) ; 32501.11,35150.69 v1(32539.12,35150.69) ; 32501.11,35185.69 32515.09,35185.69 32567.74,35238.33 v1(32568.2,35238.33) ; 32501.11,35282.75 32537.35,35282.75 32606.7,35352.1 32606.7,35537.14 32698.09,35628.53 32890.02,35628.53 32905.77,35612.78 ; 32501.11,35317.75 32543.81,35317.75 32597.7,35371.64 32597.7,35541.91 32734.51,35678.73 32734.51,35719.08 32769.94,35754.51 32890.02,35754.51 32905.77,35738.77 ; 32501.11,35352.75 v1(32545.34,35352.75) ; 32501.11,35449.81 32546.93,35449.81 v1(32569.16,35472.03) ; 32501.11,35484.81 32504.22,35484.81 v1(32541.58,35484.81) ; 32501.11,35581.87 32560.88,35581.87 v1(32566.2,35587.19) ; 32501.11,35616.87 v1(32546.67,35616.87) ; 32501.11,35651.87 v1(32535.98,35651.87) ; 32501.11,35686.87 32530.05,35686.87 v1(32542.58,35699.39) ; 32501.11,35748.93 32537.34,35748.93 v1(32557.34,35728.92) ; 32501.11,35783.93 32648.88,35783.93 32657.74,35792.78 32721.25,35792.78 32741.75,35813.28 32787.75,35813.28 32815.75,35785.28 32890.75,35785.28 32905.77,35770.26 ; 32501.11,35818.93 32653.95,35818.93 32666.31,35831.28 32805.38,35831.28 32834.9,35801.76 32874.27,35801.76 ; 32501.11,35853.93 32565.2,35853.93 v1(32571.1,35848.03) ; 32512.07,34983.84 32511.85,34983.63 ; v1@32531.38,35647.27 ccw(c32520.28,35636.17) 32520.28,35651.87 ccw(c32520.28,35667.56) v1@32531.38,35656.46 ; v1@32531.63,35515.21 ccw(c32520.53,35504.11) 32520.53,35519.81 ccw(c32520.53,35535.5) v1@32531.63,35524.4 ; v1@32534.38,35014.03 ccw(c32523.29,35002.93) 32523.29,35018.63 ccw(c32523.29,35034.32) v1@32534.38,35023.22 ; v1@32534.53,35146.09 ccw(c32523.43,35134.99) 32523.43,35150.69 ccw(c32523.43,35166.38) v1@32534.53,35155.28 ; v1@32536.08,35699.39 cw(c32520.39,35699.39) 32531.48,35688.3 cw(c32542.58,35677.2) v1@32542.58,35692.89 ; v1@32536.98,35480.21 ccw(c32525.88,35469.11) 32525.88,35484.81 ccw(c32525.88,35500.5) v1@32536.98,35489.4 ; v1@32537.05,35111.09 ccw(c32525.95,35099.99) 32525.95,35115.69 ccw(c32525.95,35131.38) v1@32537.05,35120.28 ; 32537.66,35581.87 ccw(c32537.66,35615.73) v1@32561.61,35591.79 ; v1@32537.77,34979.03 ccw(c32526.67,34967.93) 32526.67,34983.63 ccw(c32526.67,34999.32) v1@32537.77,34988.22 ; v1@32538.37,35076.09 ccw(c32527.28,35064.99) 32527.28,35080.69 ccw(c32527.28,35096.38) v1@32538.37,35085.28 ; v1@32540.75,35348.15 ccw(c32529.65,35337.05) 32529.65,35352.75 ccw(c32529.65,35368.44) v1@32540.75,35357.34 ; 32541.17,35853.93 cw(c32541.17,35818.1) v1@32566.5,35843.43 ; v1@32542.07,35612.27 ccw(c32530.97,35601.17) 32530.97,35616.87 ccw(c32530.97,35632.56) v1@32542.07,35621.46 ; v1(32542.36,34983.63) 32511.85,34983.63 ; 32549.73,35581.87 ccw(c32549.73,35603.66) v1@32565.14,35588.25 ; v1@32550.84,35728.92 ccw(c32535.15,35728.92) 32546.25,35740.02 ccw(c32557.34,35751.11) v1@32557.34,35735.42 ; 32553.24,35853.93 cw(c32553.24,35830.17) v1@32570.04,35846.97 ; 32556.32,35226.91 cw(c32568.2,35215.03) v1@32568.2,35231.83 ; 32557.43,35228.02 ccw(c32547.11,35238.33) v1@32561.7,35238.33 ; v1@32562.66,35472.03 cw(c32546.96,35472.03) 32558.06,35460.94 cw(c32569.16,35449.84) v1@32569.16,35465.53 ; v2(32581.98,35987.35) 32583.94,35989.32 32628.24,35989.32 32701.07,35916.48 32918.02,35916.48 32968.76,35865.73 32968.76,35833.25 ; v2@32583.74,35985.58 cw(c32592.76,35976.56) 32592.76,35989.31 ; v2@32587.28,35982.04 cw(c32604.84,35964.49) 32604.84,35989.32 ; v2@32587.28,35992.65 ccw(c32595.33,36000.7) 32595.33,35989.32 ; v2@32606.37,36050.93 cw(c32606.37,36032.82) 32619.17,36045.63 cw(c32631.97,36058.43) v2@32613.87,36058.43 ; v2(32606.37,36058.43) 32737.49,35927.31 32933.76,35927.31 33000.26,35860.81 33000.26,35833.25 ; v2@32658.77,35501.69 cw(c32658.77,35483.58) 32671.57,35496.38 cw(c32684.37,35509.19) v2@32666.27,35509.19 ; v2(32658.77,35509.19) 32744.15,35423.8 32874.27,35423.8 ; v1@32717.78,35503.53 32719.02,35502.28 32921.26,35502.28 32937.27,35518.29 ; v1@32717.85,35505.57 ccw(c32725.79,35513.51) 32725.79,35502.28 ; v1@32719.75,35469.46 cw(c32719.75,35449.02) 32734.21,35463.48 ; v1@32720.71,35475.96 32721.72,35475.96 32742.38,35455.3 32874.27,35455.3 ; v1@32721.39,35499.92 cw(c32727.11,35494.2) 32727.11,35502.28 ; v1@32721.39,35509.11 ccw(c32737.87,35525.58) 32737.87,35502.28 ; v1@32726.25,35475.96 ccw(c32737.19,35475.96) 32729.46,35468.23 ; v2(32741.43,35145.81) 32770.49,35145.81 32811.28,35186.6 32969.75,35186.6 33079,35295.85 33079,35345.06 33063.25,35360.81 ; v2@32746.73,35140.51 cw(c32759.53,35127.7) 32759.53,35145.81 cw(c32759.53,35163.92) v2@32746.73,35151.11 ; v1(32823.09,35303.73) 32880.18,35303.73 32905.77,35329.32 ; v1@32825.06,35685.02 cw(c32825.06,35669.33) 32836.16,35680.42 cw(c32847.25,35691.52) v1@32831.56,35691.52 ; v1(32825.06,35691.52) 32856.56,35660.02 32890.02,35660.02 32905.77,35644.28 ; v1@32827.69,35299.13 cw(c32838.79,35288.03) 32838.79,35303.73 cw(c32838.79,35319.42) v1@32827.69,35308.32 ; v1(32841.78,35328.32) 32842.78,35329.32 32874.27,35329.32 ; v1@32846.38,35323.72 cw(c32859.88,35310.22) 32859.88,35329.32 ; v1@32846.38,35332.92 ccw(c32855.07,35341.6) 32855.07,35329.32 ; 32873.69,35581.28 32874.27,35581.28 ; 32937.27,35325.38 32937.27,35329.32 ; v1@32939.23,35207.27 32966.79,35234.83 32966.79,35253.53 33000.26,35286.99 33000.26,35329.32 ; v1@32943.69,35205.3 cw(c32959.19,35205.3) 32948.23,35216.26 ; v1(32948.09,35258.45) 32984.51,35294.87 32984.51,35345.06 33000.26,35360.81 ; v1@32948.09,35264.95 ccw(c32948.09,35280.64) 32959.19,35269.55 ccw(c32970.29,35258.45) v1@32954.59,35258.45 ; v1@32948.69,35205.3 cw(c32976.26,35205.3) 32956.76,35224.8 ; v1@32999.6,35155.76 ccw(c32988.5,35166.86) 33004.2,35166.86 ccw(c33019.89,35166.86) v1@33008.79,35155.76 ; v2@33000.28,36158.61 33040.64,36158.61 33144.97,36054.28 33184.34,36054.28 33299.47,35939.14 33299.47,35786.01 33283.72,35770.26 ; v1@33004.2,35157.07 33004.2,35202.35 33094.75,35292.9 33094.75,35329.32 ; v2@33004.45,36154.44 cw(c33014.5,36144.39) 33014.5,36158.61 ; v2@33004.45,36165.05 ccw(c33020,36180.61) 33020,36158.61 ; v2@33036.74,36128.68 cw(c33036.74,36110.58) 33049.54,36123.38 cw(c33062.35,36136.18) v2@33044.24,36136.18 ; v2(33036.74,36136.18) 33136.86,36036.07 33183.85,36036.07 33267.73,35952.18 33267.73,35817.75 33283.72,35801.76 ; 33057.34,35072.43 33057.34,35071.44 33060.3,35074.39 33083.92,35098.02 v1(33083.92,35113.76) ; v2@33058.2,36081.38 cw(c33058.2,36063.27) 33071,36076.08 cw(c33083.81,36088.88) v2@33065.7,36088.88 ; v2(33058.2,36088.88) 33130.7,36016.38 33180.89,36016.38 33236.48,35960.8 33236.48,35786.01 33252.23,35770.26 ; v1@33079.32,35109.17 cw(c33068.23,35098.07) 33083.92,35098.07 cw(c33099.61,35098.07) v1@33088.52,35109.17 ; 33094.75,35360.81 33110.49,35345.06 33110.49,35283.06 33217.78,35175.77 33217.78,34945.98 33156.78,34884.98 v4@33151.86,34884.98 ; v2@33098.18,36127.11 ccw(c33115.9,36127.11) 33103.37,36114.58 ; v2(33100.68,36127.11) 33100.68,36117.27 33145.95,36071.99 33185.73,36071.99 33315.22,35942.5 33315.22,35833.25 ; v2@33103.18,36127.11 ccw(c33132.97,36127.11) 33111.9,36106.04 ; v2@33108.18,36127.11 ccw(c33150.05,36127.11) 33120.44,36097.5 ; v1@33115.74,35192.83 cw(c33104.64,35181.73) 33120.34,35181.73 cw(c33136.03,35181.73) v1@33124.93,35192.83 ; 33120.34,35158.06 v1(33120.34,35197.43) ; v4@33151.86,34885.36 ccw(c33151.86,34898.14) 33160.9,34889.1 ; v4@33151.86,34890.36 ccw(c33151.86,34915.21) 33169.43,34897.64 ; 33157.74,35329.32 33157.74,35286.27 33233.16,35210.85 33233.16,34693.65 33209.93,34670.42 v2(33209.93,34590.69) ; 33157.74,35360.81 33173.49,35345.06 33173.49,35296.52 33248.29,35221.72 33248.29,34655.65 33234.58,34641.95 33234.58,34621.25 v2(33233.55,34620.22) ; 33157.74,35423.8 v1(33173.49,35408.06) ; v4@33161.17,34881.05 cw(c33181.27,34881.05) 33167.06,34895.26 ; v1@33166.99,35408.06 ccw(c33151.29,35408.06) 33162.39,35419.15 ccw(c33173.49,35430.25) v1@33173.49,35414.56 ; 33188.25,35158.06 33193.17,35153.13 ; v2@33188.88,35965.31 cw(c33176.07,35952.51) 33194.18,35952.51 cw(c33212.29,35952.51) v2@33199.48,35965.31 ; v2(33194.18,35970.61) 33194.18,35941.09 33220.73,35914.54 33220.73,35833.25 ; v2@33204.63,34596 ccw(c33191.82,34608.8) 33209.93,34608.8 ccw(c33228.04,34608.8) v2@33215.23,34596 ; v2@33215.83,34418.45 v2(33216.82,34418.45) 33236.5,34418.45 33514.06,34696.01 33514.06,34953.88 33548.02,34987.84 33548.02,35562.64 33513.63,35597.03 33362.46,35597.03 33346.72,35581.28 ; v2@33222.12,34413.15 cw(c33234.93,34400.34) 33234.93,34418.45 cw(c33234.93,34436.56) v2@33222.12,34423.75 ; v2@33228.25,34625.52 ccw(c33212.95,34640.82) 33234.58,34640.82 ; 33234.58,34635.84 ccw(c33249.17,34635.84) v2@33238.85,34625.52 ; v2@33305.4,36120.02 cw(c33305.4,36101.91) 33318.2,36114.72 cw(c33331.01,36127.52) v2@33312.9,36127.52 ; v2(33305.4,36127.52) 33397.9,36035.02 33397.9,35726.95 33378.21,35707.27 ; 33315.22,35738.77 v1(33330.97,35754.51) ; v1@33324.47,35754.51 cw(c33308.77,35754.51) 33319.87,35743.42 cw(c33330.97,35732.32) v1@33330.97,35748.01 ; 33346.72,35518.29 33362.9,35502.11 33388.08,35502.11 33395.72,35494.47 v2(33503.7,35494.47) ; 33346.72,35549.79 33362.46,35534.04 33490.88,35534.04 v2@33504.22,35547.39 ; 33378.21,35455.3 33387.4,35446.11 33407.66,35446.11 33434.34,35419.43 v2@33504.22,35419.43 ; 33378.21,35612.78 33552.01,35612.78 33576.07,35588.72 33729.12,35588.72 v4(33803.68,35514.17) ; v2@33402.84,35410.57 33425.48,35387.94 v2(33515.05,35387.94) ; v2@33403.88,35401.29 cw(c33403.88,35381.38) 33417.96,35395.46 ; v2@33411.38,35408.79 ccw(c33427.68,35408.79) 33416.16,35397.26 ; 33482.75,35419.43 ccw(c33482.75,35440.9) v2@33497.93,35425.72 ; 33487.51,35419.43 cw(c33487.51,35404.69) v2@33497.93,35415.11 ; 33492.27,35535.44 cw(c33508.22,35519.49) v2@33508.22,35542.04 ; 33496.72,35539.88 ccw(c33487.06,35549.54) v2@33500.72,35549.54 ; v2@33498.4,35489.17 ccw(c33485.59,35476.36) 33485.59,35494.47 ccw(c33485.59,35512.58) v2@33498.4,35499.77 ; v2@33509.75,35382.64 ccw(c33496.95,35369.84) 33496.95,35387.94 ccw(c33496.95,35406.05) v2@33509.75,35393.25 ; v2@33738.47,35014.91 33742.19,35014.91 33757.17,35029.89 ; v2@33741.6,35020.88 ccw(c33743.83,35030.49) 33750.8,35023.52 ; v2@33741.62,35110.95 cw(c33741.62,35081.91) 33762.15,35102.44 ; v2@33741.62,35115.95 cw(c33741.62,35098.98) 33753.62,35110.98 ; v2@33742.73,35025.75 ccw(c33746.23,35040.83) 33757.17,35029.89 ; v2@33743.39,34966.68 33771.6,34994.89 33882.69,34994.89 ; v2@33743.39,34975.16 ccw(c33743.39,34995.64) 33757.88,34981.16 ; v2@33743.59,35070.22 ccw(c33756.46,35083.09) 33756.46,35064.89 ; v2@33744.38,35120.22 33764.71,35099.89 33882.69,35099.89 ; v2@33747.12,35063.15 cw(c33751.32,35058.94) 33751.32,35064.89 ; v2@33747.12,35073.75 ccw(c33768.53,35095.16) 33768.53,35064.89 ; v2@33748.53,35018.45 cw(c33755.28,35018.45) 33750.51,35023.22 ; v2@33748.53,35064.89 33882.69,35064.89 ; v2@33749.12,35118.45 ccw(c33756.3,35118.45) 33751.22,35113.37 ; v2@33750.89,34967.66 cw(c33766.62,34967.66) 33755.5,34978.78 ; v4@33794.37,35514.17 ccw(c33771.89,35514.17) 33787.78,35530.06 ccw(c33803.68,35545.96) v4@33803.68,35523.48 ; 33882.69,35029.89 33757.17,35029.89 ; v2@45464.85,36634.7 cw(c45452.04,36621.89) 45470.15,36621.89 cw(c45488.26,36621.89) v2@45475.45,36634.7 ; v2@45466.62,36695.3 ccw(c45442.41,36719.51) 45476.65,36719.51 ; v2(45470.15,36640) 45470.15,36601.81 45476.65,36595.32 ; v2@45470.15,36691.77 ccw(c45454.48,36707.44) 45476.65,36707.44 ; v2(45471.92,36690) 45476.65,36694.72 45476.65,36729.17 ; 45535.7,36595.32 45542,36601.61 v2(45542,36640) ; 45535.7,36701.07 ccw(c45553.86,36701.07) v2@45541.02,36688.23 ; 45535.7,36713.14 ccw(c45565.93,36713.14) v2@45544.56,36691.77 ; 45535.7,36725.21 ccw(c45578,36725.21) v2@45548.09,36695.3 ; 45535.7,36729.17 45535.7,36697.09 v2(45542.79,36690) ; v2@45536.7,36634.7 cw(c45523.89,36621.89) 45542,36621.89 cw(c45560.11,36621.89) v2@45547.3,36634.7 ; v2@46512,33047.76 v2@46514.19,33049.94 ; v2(46540.76,32625.73) 46596.87,32625.73 ; v2@46546.07,32620.43 cw(c46558.87,32607.63) 46558.87,32625.73 cw(c46558.87,32643.84) v2@46546.07,32631.04
  Bottom Layer w5.91: 32501.11,35414.81 32543.67,35414.81 v1(32549.44,35409.03) ; 32520.9,35414.81 cw(c32520.9,35380.49) v1@32545.17,35404.76 ; 32535.16,35414.81 cw(c32535.16,35394.75) v1@32549.34,35408.93 ; v1(32741.4,35566.52) 32741.4,35571.39 32748.29,35578.28 ; v1@32746.81,35569.22 cw(c32753.85,35572.73) 32748.29,35578.28 ; 32890.94,35596.11 32832.57,35596.11 32814.75,35578.28 32748.29,35578.28
  Bottom Layer w6: v2@31501.84,35330.44 cw(c31489.89,35318.49) 31506.79,35318.49 cw(c31523.69,35318.49) v2@31511.74,35330.44 ; 31506.79,35287.79 v2(31506.79,35335.39) ; 32890.94,35596.11 32905.77,35581.28 ; v1(32921.52,35345.06) 32937.27,35360.81 ; v1@32921.52,35351.06 ccw(c32921.52,35365.55) 32931.76,35355.31 ccw(c32942,35345.06) v1@32927.52,35345.06 ; 33000.26,35801.76 v1(33016.01,35817.51) 33031.75,35801.76 ; v1@33010.01,35817.51 cw(c32995.52,35817.51) 33005.76,35807.26 cw(c33016.01,35797.02) 33016.01,35811.51 cw(c33016.01,35797.02) 33026.25,35807.26 cw(c33036.49,35817.51) v1@33022.01,35817.51 ; 46953.17,33041.09 46953.17,32979.08 v2(46990.57,32941.68) ; v2@46967.9,33088.3 cw(c46955.95,33076.35) 46972.85,33076.35 cw(c46989.75,33076.35) v2@46977.8,33088.3 ; 46972.85,33041.09 v2(46972.85,33093.25) ; v2@46983.57,32941.68 ccw(c46966.67,32941.68) 46978.62,32953.63 ccw(c46990.57,32965.58) v2@46990.57,32948.68 ; v2@46987.59,32987.97 ccw(c46975.64,32999.92) 46992.54,32999.92 ccw(c47009.43,32999.92) v2@46997.49,32987.97 ; v2(46992.54,32983.02) 46992.54,33041.09 ; v2@47007.27,33089.29 cw(c46995.32,33077.34) 47012.22,33077.34 cw(c47029.12,33077.34) v2@47017.17,33089.29 ; 47012.22,33041.09 v2(47012.22,33094.24) ; v2@47026.96,32987.97 ccw(c47015.01,32999.92) 47031.91,32999.92 ccw(c47048.81,32999.92) v2@47036.86,32987.97 ; v2(47031.91,32983.02) 47031.91,33041.09 ; 47051.59,33041.09 47051.59,33081.44 v2@47087.02,33116.87 ; v2@47083.96,33120.81 cw(c47067.06,33120.81) 47079.01,33108.86 cw(c47090.96,33096.91) v2@47090.96,33113.81
  Bottom Layer w8: 33378.21,35360.81 33395.38,35343.65 v2(33401.86,35343.65) ; 33380.56,35358.47 ccw(c33401.86,35379.77) v2@33401.86,35349.65